# KiCad board ebaz4205.kicad_pcb (continued)
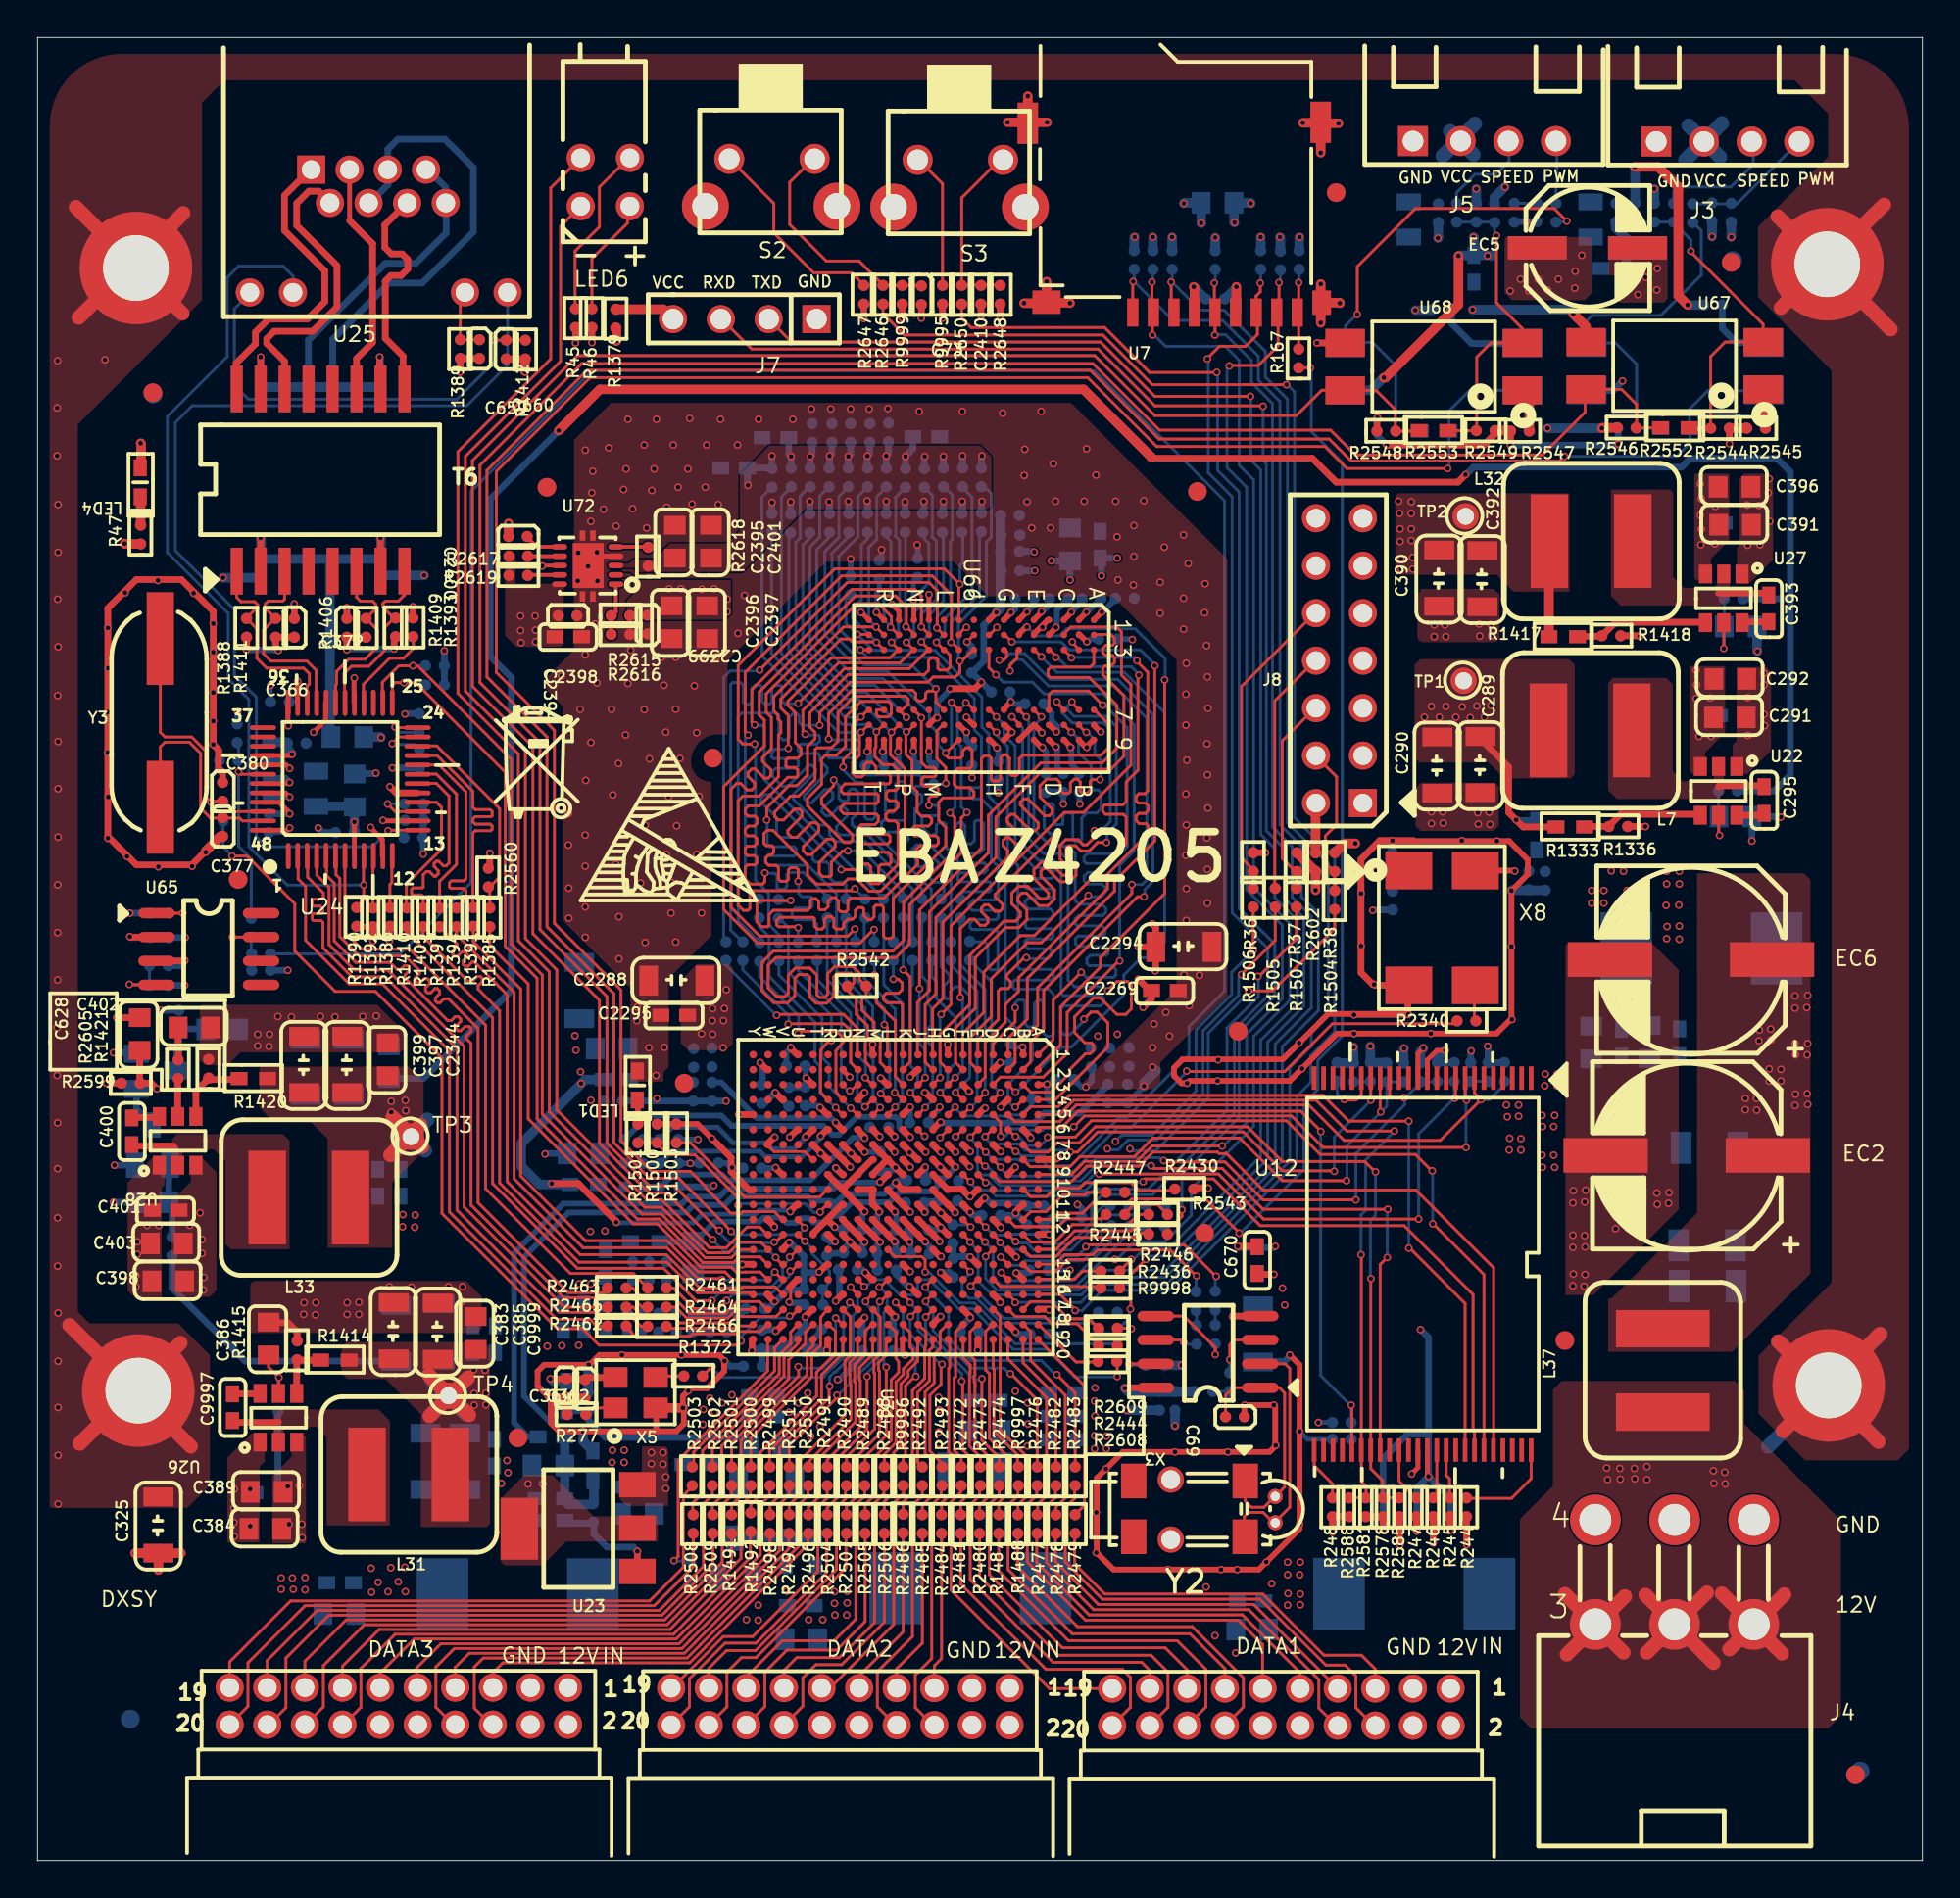
[diagram p0: board, top side]
## Routing (per net, layer and track width the routed paths; a pad name or vN(x,y) marks a point on that pad's centre or on a via; arc(x,y) is an arc through that point) (continued)
  Bottom Layer w0.152: 51.88,63.55 51.88,63.83 52.13,64.08 52.53,64.08 53.93,62.68 57.45,62.68 59.18,60.95 59.18,52.33 58.93,52.08 v1(58.38,52.08)
DDR-ODT_0: length 35.1
  Top Layer w0.152: 49.15,66.2 49.15,68.05 v1(49.2,68.1) 48.38,68.93 42.53,68.93 37.38,63.78 37.38,59.83 37.63,59.58 v1(38.25,59.58)
  Bottom Layer w0.152: 49.35,70.88 49.35,69.25 49.2,69.1 49.2,68.23 49.25,68.18 ; R2513.2 39.55,49.4 39,49.95 39,51.6 38.3,52.3 38.3,59.6 38.28,59.63
DDR-RAS_0: length 40.8
  Top Layer w0.152: v1(41.73,60.58) 41.73,61.25 43.35,62.88 47.5,62.88 47.78,63.15 48.95,63.15 49.2,63.4 v1(49.2,64) 49.3,64 49.95,64.65
  Bottom Layer w0.152: R2532.2 38.53,49 37.38,50.15 37.38,61.03 37.58,61.23 39.35,61.23 39.55,61.03 39.55,60 39.75,59.8 39.95,59.8 40.1,59.95 40.1,61 40.3,61.2 40.5,61.2 40.63,61.08 40.63,60.73 40.78,60.58 41.63,60.58 ; R2639.1 50.53,73.3 50.88,72.95 50.88,70.6 50.63,70.35 50.63,67.48 49.13,65.98 49.13,65.18 49.13,65.17 49.13,64.83 49.13,64.83 49.13,64 49.2,63.93
DDR-RESET_0: length 35.5
  Top Layer w0.152: v1(52.15,40.2) 52.17,40.2 52.57,40.61 ; 44.35,65.45 44.33,65.43 v1(43.73,65.43)
  Bottom Layer w0.152: v1(52.15,40.2) 52.08,40.2 51.77,40.51 51.77,41.42 53.08,42.73 53.08,43.55 51.63,45 51.63,53.1 51.25,53.48 51.25,56.28 50.75,56.78 50.75,60.11 50.38,60.48 50.38,62.08 47.88,64.58 44.58,64.58 43.13,66.03 43.13,67.35 43.35,67.58
DDR-UDM_0: length 32.1
  Top Layer w0.152: 58.7,63.23 58.7,58.18 58.08,57.55 58.08,56.5 57.9,56.33 56.93,56.33 56.83,56.23 56.83,55.98 56.98,55.83 57.93,55.83 58.08,55.68 58.08,54.25 53.18,49.35 52.43,49.35 50.48,47.4 50.48,45.25 49.36,44.13 49.36,43 ; v1(54.33,64.2) 54.33,64.28 53.95,64.65
  Bottom Layer w0.152: 58.78,63.28 58.35,63.7 54.9,63.7 54.4,64.2 v1(54.33,64.2)
  vias: v1(58.75,63.25)
DDR-UDQS#_0: length 32.6
  Top Layer w0.152: 55.55,61.4 55.18,61.78 v1(55.18,61.83) ; 56.98,54.33 56.55,54.33 56.1,53.88 55.65,53.88 55.38,54.15 54.98,54.15 54.88,54.05 54.88,53.55 55.4,53.03 55.4,52.58 55.05,52.23 54.55,52.23 53.85,52.93 53.65,52.93 53.53,52.8 53.53,52.53 54.25,51.8 54.25,51.3 53.9,50.95 53.43,50.95 52.75,51.63 52.5,51.63 52.3,51.43 52.3,51.2 52.78,50.73 52.78,50.2 52.35,49.78 51.63,49.78 50.03,48.18 50.03,45.48 48.98,44.43 48.98,42.58 49.36,42.2
  Bottom Layer w0.152: 57.05,54.48 57.05,54.8 57.55,55.3 57.55,60.5 57,61.05 55.3,61.05 54.95,61.4 54.95,61.6 v1(55.18,61.83)
  vias: v1(57.03,54.33)
DDR-UDQS_0: length 32.9
  Top Layer w0.152: 54.75,61.4 54.38,61.78 v1(54.38,61.83) ; v1(56.38,54.95) 56.38,54.6 55.98,54.2 55.78,54.2 55.5,54.48 54.85,54.48 54.55,54.18 54.55,53.43 55.05,52.93 55.05,52.7 54.93,52.58 54.68,52.58 53.98,53.28 53.55,53.28 53.15,52.88 53.15,52.4 53.93,51.63 53.93,51.45 53.78,51.3 53.5,51.3 52.83,51.98 52.33,51.98 51.98,51.63 51.98,51.05 52.43,50.6 52.43,50.38 52.18,50.13 51.55,50.13 49.73,48.3 49.73,45.68 48.15,44.1 48.15,42.61 48.55,42.2
  Bottom Layer w0.152: 54.45,61.78 54.65,61.58 54.65,61.25 55.2,60.7 56.88,60.7 57.23,60.35 57.23,55.43 56.75,54.95 v1(56.38,54.95)
DDR-WE_0: length 39.8
  Top Layer w0.152: v1(38.9,55.53) 38.9,56.18 40.08,57.35 40.5,57.35 41.08,57.93 41.08,59.45 41.48,59.85 41.48,60.2 41.2,60.48 41.2,61.25 43.23,63.28 47.3,63.28 47.53,63.5 47.53,64.03 47.68,64.18 47.93,64.18 48.03,64.08 48.03,63.63 48.13,63.53 48.53,63.53 48.68,63.68 48.68,64.33 48.35,64.65 48.3,64.65 v1(47.95,65)
  Bottom Layer w0.152: R2534.2 42.63,51.58 41.1,53.1 39.03,53.1 38.83,53.3 38.83,53.5 38.93,53.6 40.35,53.6 40.48,53.73 40.48,53.98 40.35,54.1 39.05,54.1 38.93,54.23 38.93,55.45 ; 47.98,65.05 48.4,65.48 48.4,66.28 49.85,67.73 49.85,72.75 49.35,73.25 R2641.1
IN: length 6
  Top Layer w0.356: v1(3.68,41.48) R2599.1
  Bottom Layer w0.356: 12.93,19.8 12.83,19.9 R1413.1 ; v1(6.58,45.38) R2800.1
  vias: v1(8.12,33.89) v1(8.67,34.57) v1(8.77,33.14) v1(8.77,32.39) v1(8.87,31.12) v1(8.85,30.44) v1(13.35,19.97) v1(13.42,17.95) v1(13.97,20) v1(14.1,17.95) v1(14.12,17.22) v1(17.8,15.6) v1(17.82,14.32) v1(18.17,14.85) v1(18.7,14.35) v1(18.85,15.62) v1(19.25,14.87) v1(19.6,15.65) v1(19.62,14.35) v1(41.14,12.85) v1(41.89,12.85) v1(42.52,14.35) v1(42.52,13.72) v1(42.54,13.1) v1(43.19,14.37) v1(43.19,13.75) v1(43.17,13.1) v1(65.83,14.77) v1(66.68,15.92) v1(66.68,15.25) v1(66.71,14.25) v1(66.68,13.62) v1(67.36,15.92) v1(67.33,15.25) v1(67.36,14.22) v1(67.36,13.65) v1(82.91,51.76) v1(82.91,51.09) v1(83.56,51.76) v1(83.56,51.09) v1(83.96,52.81) v1(84.61,52.79) v1(84.8,51.76) v1(84.83,51.11) v1(85.5,51.14) v1(85.55,51.76) v1(86.9,52.79) v1(86.9,52.11) v1(86.88,50.96) v1(86.9,49.19) v1(86.93,49.84) v1(87.58,52.79) v1(87.58,52.11) v1(87.55,50.99) v1(87.58,49.86) v1(87.58,49.16) v1(88.48,63.51) v1(88.5,62.74) v1(88.48,62.01) v1(88.7,73.46) v1(88.7,71.78) v1(88.63,59.99) v1(88.75,72.66) v1(88.75,71.03) v1(88.73,70.21) v1(89.23,62.04) v1(89.28,59.99) v1(89.5,72.26) v1(89.48,70.26)
LED3_0: length 57
  Top Layer w0.152: v1(18.7,54.95) 18.73,54.98 20.25,54.98
  Bottom Layer w0.152: v1(18.7,54.95) 19.25,54.95 19.65,54.55 ; U25.9 25.08,79.8 22.9,77.63 8.25,77.63 7.35,76.73 7.35,69.9 10.5,66.75 10.5,63.25 11.68,62.08 11.68,54.63 12.2,54.1 17.88,54.1 18.65,54.88
LED.0_0: length 48.3
  Top Layer w0.152: 17.39,53.6 17.39,52.07 v1(17.4,52.05) 17.4,51.25 17,50.85
  Bottom Layer w0.152: U25.11 13.63,84.55 13.1,85.08 10.73,85.08 10.13,84.48 10.13,80.25 6.93,77.05 6.93,69.8 10.18,66.55 10.18,63.05 11.28,61.95 11.28,54.1 13.33,52.05 17.43,52.05
MDC_0: length 45.1
  Top Layer w0.152: U24.25 18.93,62.73 19.05,62.85 v1(19.55,62.85) 20.18,62.85 24.95,58.08 24.95,48.78 26.65,47.08 26.65,39.58 32,34.23 32.92,34.23 32.92,34.23 33.17,34.23 35.49,31.92 37.14,31.92 37.43,32.21 38.55,32.21 38.88,31.88
  Bottom Layer w0.152: R2470.2 20.6,62.83 19.5,62.83
PS-DDR-A0_0: length 10
  Top Layer w0.152: v1(40.05,44.63) 40.08,44.65 42.98,44.65 43.38,44.32 43.38,42.59 43.73,42.2
  Bottom Layer w0.152: 40.08,44.7 40.08,45.08 37.63,47.53 R2517.1
PS-DDR-A1_0: length 8.4
  Top Layer w0.152: v1(46.18,47.53) 46.55,47.15 46.55,42.61 46.14,42.2
  Bottom Layer w0.152: v1(46.18,47.53) 46.18,50.15 46.1,50.23
PS-DDR-A2_0: length 9.9
  Top Layer w0.152: v1(44.15,41.78) 44.52,41.4 44.53,41.4
  Bottom Layer w0.152: R2519.1 42.13,47 43.75,45.38 43.75,42.95 44.18,42.53 44.18,41.8
PS-DDR-A3_0: length 7.2
  Top Layer w0.152: v1(44.65,47.25) 44.75,47.15 44.75,45.78 45.76,44.8 45.76,41.83 46.14,41.4
  Bottom Layer w0.152: v1(44.65,47.25) 44.65,48 44.68,48.03
PS-DDR-A4_0: length 9.4
  Top Layer w0.152: 44.13,40.18 44.13,40.2 v1(44.14,40.22) 44.53,40.61
  Bottom Layer w0.152: 44.09,40.22 v1(44.14,40.22) 43.73,40.63 43.73,41.9 43.73,41.9 43.73,42.22 43.38,42.58 43.38,45.23 41.6,47 41.6,47.93
PS-DDR-A5_0: length 5.7
  Top Layer w0.152: v1(45.18,44.6) 45.34,44.44 45.34,43
  Bottom Layer w0.152: R2522.1 43.63,47.03 45.18,45.48 v1(45.18,44.6)
PS-DDR-A6_0: length 11
  Top Layer w0.152: 45.34,40.61 45.32,40.61 44.95,40.98
  Bottom Layer w0.152: 43.1,50.25 43.13,50.23 43.13,47 44.55,45.58 44.55,44.48 45.45,43.58 45.45,41.48 44.95,40.98
  vias: v1(44.98,40.93)
PS-DDR-A7_0: length 10.6
  Top Layer w0.152: 46.14,40.61 45.77,40.98 v1(45.73,40.98)
  Bottom Layer w0.152: v1(45.73,40.98) 45.75,41 45.75,45.43 44.1,47.08 44.1,47.83 44.1,47.83 44.1,48.22 44.1,48.23 44.1,48.83 44.1,48.83 44.1,49.22 44.1,49.23 44.1,50.25 R2524.1
PS-DDR-A8_0: length 6.9
  Top Layer w0.152: v1(45.65,47.03) 45.93,47.03 46.13,46.83 46.13,46.48 45.93,46.28 45.28,46.28 45.13,46.13 45.13,45.95 45.3,45.78 46.03,45.78 46.14,45.66 46.14,43
  Bottom Layer w0.152: 45.68,47.9 45.65,47.88 v1(45.65,47.03)
PS-DDR-A9_0: length 8
  Top Layer w0.152: 46.58,40.95 46.92,40.61 46.95,40.61
  Bottom Layer w0.152: 46.53,40.93 46.95,41.35 46.95,42.03 46.58,42.4 46.58,46.63 46.68,46.73 R2526.1
  vias: v1(46.55,40.98)
PS-DDR-A10_0: length 9.2
  Top Layer w0.152: 49.36,39.81 49.73,40.18 v1(49.75,40.18)
  Bottom Layer w0.152: R2527.1 48.73,47.78 50.13,46.38 50.13,40.53 49.75,40.15
PS-DDR-A11_0: length 8.5
  Top Layer w0.152: 48.55,40.61 48.52,40.61 v1(48.15,40.98)
  Bottom Layer w0.152: v1(48.15,40.98) 48.18,40.98 48.55,41.35 48.55,42.13 48.98,42.55 48.98,44.98 47.95,46 47.95,46.9 47.7,47.15 R2528.1
PS-DDR-A12_0: length 10.3
  Top Layer w0.152: 50.16,40.61 50.18,40.61 v1(50.55,40.98)
  Bottom Layer w0.152: 49.2,50.2 49.23,50.18 49.23,47.8 50.55,46.48 v1(50.55,40.98)
PS-DDR-A13_0: length 8.3
  Top Layer w0.152: 50.97,40.61 50.98,40.61 v1(51.35,40.98)
  Bottom Layer w0.152: v1(51.35,40.98) 50.9,41.43 50.9,46.88 R2530.1
PS-DDR-A14_0: length 12.5
  Top Layer w0.152: v1(48.98,40.98) 48.99,40.98 49.36,40.61
  Bottom Layer w0.152: R2531.1 48.2,47.7 48.65,47.25 48.65,46.98 48.35,46.68 48.35,46.13 48.5,45.98 48.65,45.98 48.7,46.03 48.7,46.38 48.95,46.63 49.25,46.63 49.73,46.15 49.73,41.78 49,41.05
PS-DDR-BA0_0: length 11.1
  Top Layer w0.152: v1(45.75,40.2) 45.36,39.81 45.34,39.81
  Bottom Layer w0.152: 45.15,50.18 45.15,46.73 46.13,45.75 46.13,40.58 v1(45.75,40.2)
PS-DDR-BA1_0: length 11.3
  Top Layer w0.152: 42.12,40.61 41.78,40.99 41.78,43.25 42.23,43.75 v1(42.35,43.75)
  Bottom Layer w0.152: R2515.1 39.58,50.28 40.05,49.8 40.05,47.4 42.35,45.1 v1(42.35,43.75)
PS-DDR-BA2_0: length 11.3
  Top Layer w0.152: 46.95,39.81 46.98,39.81 v1(47.35,40.18)
  Bottom Layer w0.152: R2516.1 47.18,47.18 47.5,46.85 47.5,45.7 47.68,45.53 47.68,44.58 47.5,44.4 47.5,43.68 47.75,43.43 47.75,40.58 47.3,40.13
PS-DDR-CAS_0: length 12.3
  Top Layer w0.152: v1(42.58,40.18) 42.58,40.16 42.93,39.81
  Bottom Layer w0.152: R2533.1 38.5,49.83 39.03,49.3 39.03,47.18 41.48,44.73 41.48,42.65 41.73,42.4 41.73,41 42.55,40.18 42.55,40.15
PS-DDR-CKE_0: length 8.6
  Top Layer w0.152: 43.35,41.03 43.73,41.4
  Bottom Layer w0.152: R2536.1 40.58,47.5 42.88,45.2 42.88,41.45 43.26,41.06
  vias: v1(43.33,41.07)
PS-DDR-CS_0: length 10
  Top Layer w0.152: 43.73,43 43.73,44.42 43,45.15 39.48,45.15 v1(39.43,45.1)
  Bottom Layer w0.152: 39.33,45.2 39.3,45.2 36.73,47.78 R2535.1
PS-DDR-ODT_0: length 10
  Top Layer w0.152: 43.73,39.81 43.38,40.15 v1(43.38,40.15)
  Bottom Layer w0.152: 43.4,40.13 42.23,41.3 42.23,42.48 41.85,42.85 41.85,44.95 39.55,47.25 R2513.1
PS-DDR-RAS_0: length 10.8
  Top Layer w0.152: v1(40.58,44.13) 40.7,44.25 42.63,44.25 43,43.88 43,43.7 42.59,43.2 42.59,41.04 42.93,40.61
  Bottom Layer w0.152: 40.6,44.15 40.6,45.08 38.53,47.15 R2532.1
PS-DDR-WE_0: length 9.3
  Top Layer w0.152: 44.53,39.81 44.58,39.81 v1(44.95,40.18)
  Bottom Layer w0.152: 44.9,40.25 44.57,40.58 44.57,41.92 44.58,41.93 44.58,42.75 44.15,43.18 44.15,43.72 44.15,43.73 44.15,45.48 42.63,47 R2534.1
REGOUT: length 5.4
  Top Layer w0.254: 16.9,53.62 v1(16.9,55.43) 16.88,55.41
  Bottom Layer w0.508: C382.1 16.9,56.18 16.98,56.25 ; L30.2 16.88,56.25 16.93,56.3
REGOUT.0: length 21.9
  Top Layer w0.356: T6.7 18.3,70.57 v1(18.3,70.58) ; v1(11.9,70.58) 11.91,70.57 T6.2
  Bottom Layer w0.508: v1(18.3,70.58) 18.33,70.55 18.33,69.55 18.23,69.45 15.6,69.45 ; 15.6,69.45 C375.1 11.93,70.53 11.9,70.55 ; 15.6,69.45 15.6,59.83 15.48,59.7
RESET.0: length 121.7
  Top Layer w0.152: 52.18,37.83 52.15,37.83 51.77,38.21
  Bottom Layer w0.152: R2392.1 19.33,48.38 23.13,52.18 23.13,73.05 29.58,79.5 56.38,79.5 63.33,72.55 63.33,46.4 61.43,44.5 61.43,42.98 58.1,39.65 57.7,39.65 55.13,37.08 54.23,37.08 53.7,37.6 52.49,37.6 52.29,37.8 52.25,37.8
  vias: v1(52.18,37.83)
RESET.1: length 11.1
  Top Layer w0.152: 12,57.96 10.87,57.96 v1(10.73,58.1)
  Bottom Layer w0.152: R1995.1 10.73,59.58 10.73,54.13 11.4,53.45 11.4,50.23 11.43,50.2
REST.ON_0: length 45.1
  Top Layer w0.152: 18.4,61.78 18.4,62.87 19.28,63.75 v1(20.03,63.75) 20.28,63.75 25.28,58.75 25.28,48.9 26.93,47.25 26.93,39.83 32.25,34.5 33.28,34.5 35.61,32.17 36.98,32.17 36.99,32.19 37.04,32.19 37.45,32.6 38.08,32.6
  Bottom Layer w0.152: 20.13,63.75 R2469.2
RXCLK_0: length 35.8
  Top Layer w0.152: v1(35.98,29.88) 35.13,29.88 33.4,31.6 28.8,31.6 24.28,36.13 24.28,44.98 19.7,49.55 R1410.1 ; 40.15,32.2 40.51,32.56 40.51,32.62
  Bottom Layer w0.152: 35.98,29.9 36,29.9 36.73,30.63 39.17,30.63 39.75,31.21 39.75,31.28 39.75,31.28 39.75,31.72 40.13,32.1
  vias: v1(40.13,32.2)
RXD0_0: length 29
  Top Layer w0.152: 38.08,31 37.08,31 36.67,31.41 35.25,31.41 33.58,33.08 29.23,33.08 25.78,36.53 25.78,46.5 23.25,49.03 R1391.1
RXD1_0: length 31.4
  Top Layer w0.152: 39.38,31.35 39.38,31.35 39.71,31.02 ; R1394.1 22.35,49.4 25.43,46.33 25.43,36.38 29.1,32.7 33.58,32.7 35.23,31.05 36.48,31.05 36.5,31.03
  Bottom Layer w0.152: 36.5,31.03 36.55,30.98 38.93,30.98 39.28,31.33
  vias: v1(36.5,31) v1(39.33,31.4)
RXD2_0: length 33.9
  Top Layer w0.152: R1397.1 22.38,48.9 22.38,48.75 22.15,48.53 22.15,48.35 22.25,48.25 22.4,48.25 22.65,48.5 22.78,48.5 22.93,48.35 22.93,48.23 22.7,48 22.7,47.83 22.8,47.73 22.98,47.73 23.2,47.95 23.3,47.95 25.05,46.2 25.05,36.23 28.95,32.33 33.55,32.33 35.33,30.55 37.58,30.55 37.63,30.6 39.35,30.6 39.68,30.28
RXD3_0: length 32.2
  Top Layer w0.152: 38.1,30.22 38.03,30.3 35.21,30.3 33.58,31.93 28.88,31.93 24.65,36.15 24.65,45.35 23.5,46.5 23.5,46.68 23.73,46.9 23.73,47.08 23.63,47.18 23.45,47.18 23.15,46.88 23,46.88 20.58,49.3 R1405.1
RXDV_0: length 27.4
  Top Layer w0.152: R1385.1 24.13,48.83 26.18,46.78 26.18,39.58 31.78,33.97 33.07,33.97 35.38,31.66 37.02,31.66 37.28,31.4 37.77,31.4 37.78,31.4 38.55,31.4 38.9,31.05
RY/#BY_0: length 30.4
  Top Layer w0.152: 51.77,39.81 52.15,39.43 54.53,39.43 55.42,40.32 67.81,40.32 69.7,38.43 74.83,38.43 v1(77,40.6) 76.66,40.95 U12.7
  Bottom Layer w0.152: 78.25,41.5 78.25,41.4 77.45,40.6 v1(77,40.6)
TXCLK_0: length 33.1
  Top Layer w0.152: 32.48,30.63 31.78,31.33 28.43,31.33 23.9,35.85 23.9,44.58 19.85,48.63 17.3,48.63 16.4,49.52 U24.7
TXD0_0: length 34.5
  Top Layer w0.152: 30.43,30.53 30.2,30.3 28.3,30.3 23.5,35.1 23.5,44.4 21.93,45.98 21.68,45.98 21.48,45.78 21.33,45.78 21.23,45.88 21.23,46.03 21.45,46.25 21.45,46.4 21.33,46.53 21.2,46.53 20.98,46.3 20.8,46.3 20.7,46.4 20.7,46.58 20.93,46.8 20.93,46.93 20.8,47.05 20.63,47.05 20.4,46.83 20.28,46.83 20.13,46.98 20.13,47.08 20.38,47.33 20.38,47.5 19.6,48.28 17.15,48.28 16.13,49.3 16.13,52.4 15.92,52.6 15.92,53.6
TXD1_0: length 37
  Top Layer w0.152: 15.42,53.6 15.42,52.56 15.83,52.15 15.83,49.08 16.98,47.93 18.8,47.93 19.18,47.55 19.38,47.55 19.58,47.75 19.75,47.75 19.83,47.68 19.83,47.48 19.6,47.25 19.6,47.1 21.88,44.83 22.08,44.83 22.28,45.03 22.45,45.03 22.58,44.9 22.58,44.78 22.33,44.53 22.33,44.4 22.45,44.28 22.58,44.28 22.8,44.5 23.03,44.5 23.13,44.4 23.13,44.25 22.85,43.98 22.85,43.88 23.13,43.6 23.13,34.98 28.08,30.03 31.75,30.03 32.25,29.53 32.5,29.53
TXD2_0: length 32.4
  Top Layer w0.152: R2465.1 28.1,29.53 22.75,34.88 22.75,43.45 18.68,47.53 16.9,47.53 15.55,48.88 15.55,51.93 14.9,52.58 14.9,53.13
TXD3_0: length 37.8
  Top Layer w0.152: 32.48,28.5 32.2,28.5 31.68,29.03 30.1,29.03 29.88,29.25 27.83,29.25 22.38,34.7 22.38,43.33 18.55,47.15 16.78,47.15 15.23,48.7 15.23,50.05 15.13,50.15 14.73,50.15 14.65,50.23 14.65,50.48 14.7,50.53 15.13,50.53 15.23,50.63 15.23,50.78 15.08,50.93 14.7,50.93 14.65,50.98 14.65,51.23 14.73,51.3 15.15,51.3 15.25,51.4 15.25,51.63 14.41,52.47 14.41,53.6
TXEN_0: length 34.3
  Top Layer w0.152: 13.91,53.6 13.91,52.37 14.3,51.98 14.3,49.1 16.63,46.78 18.4,46.78 21.98,43.2 21.98,34.6 27.7,28.88 29.48,28.88 29.85,28.5 30.38,28.5
U3.A14_0: length 72.4
  Top Layer w0.152: R2650.1 49.3,82.3 49.8,81.8 56.93,81.8 59.33,79.4 v1(62.9,79.4) ; 53.38,32.62 54.34,32.62 55.33,33.6 58.33,33.6 58.65,33.93 60.6,33.93 61.05,34.38 v1(61.05,34.73)
  Bottom Layer w0.152: 61.05,34.68 61.05,36.6 64.11,39.66 64.11,40.01 64.1,40.01 64.1,44.23 66,46.13 66,48.9 64.1,50.8 64.1,73.03 62.95,74.18 62.95,79.35 v1(62.9,79.4)
U3.A17_0: length 84.3
  Top Layer w0.152: R2646.1 45.1,82.55 46.25,81.4 56.83,81.4 59.48,78.75 v1(66.63,78.75) ; 53.38,30.22 54.53,30.22 55.35,29.4
  Bottom Layer w0.152: 55.48,29.35 55.73,29.35 56.8,30.43 60.35,30.43 67.18,37.25 67.18,40.78 67.93,41.53 67.93,42.95 69.2,44.23 69.2,53.5 67.05,55.65 67.05,78.38 66.68,78.75 v1(66.63,78.75)
  vias: v1(55.35,29.35)
U3.A.9_0: length 61.7
  Top Layer w0.152: 63.6,79.78 65.13,79.78 66.18,80.83 66.18,82.53 U7.8 66.23,82.72 v1(66.23,84.2) ; v1(63.2,38.13) 59.45,38.13 58.63,37.31 55.86,37.31 55.16,36.61 53.38,36.61
  Bottom Layer w0.152: 63.23,38.1 64.5,39.38 64.5,44.1 66.4,46 66.4,49.9 64.5,51.8 64.5,73.28 63.45,74.33 63.45,79.63 ; 66.25,84.18 66.3,84.23 R160.1
  vias: v1(63.58,79.75)
U3.A.12_0: length 62.1
  Top Layer w0.152: v1(64.1,33.48) 64.1,33.5 62.3,35.3 58.38,35.3 58.2,35.13 56.33,35.13 55.74,34.54 54.49,34.54 54.16,34.22 53.38,34.22 53.89,34.22 ; R167.1 v1(67.9,79.65)
  Bottom Layer w0.152: v1(64.1,33.48) 64.15,33.48 67.55,36.88 67.55,40.4 68.3,41.15 68.3,42.7 69.6,44 69.6,74.6 67.95,76.25 67.95,79.5
U3.A.16_0: length 79.8
  Top Layer w0.152: R2436.2 v1(58.35,32.08) ; v1(64.7,78.13) 59.6,78.13 56.7,81.03 40.23,81.03 J7.2
  Bottom Layer w0.152: 64.75,78.03 64.73,78 64.73,74.73 65.25,74.2 65.25,54.75 66,54 66,51.38 67.2,50.18 67.2,45.73 65.25,43.78 65.25,37.58 60.3,32.63 59.03,32.63 58.48,32.08 v1(58.35,32.08)
U3.B.15_0: length 67.9
  Top Layer w0.152: 52.57,31.82 52.97,31.43 54.33,31.43 54.97,32.07 57.47,32.07 v1(57.48,32.08) ; v1(59.48,81.4) 59.48,82.56 U7.2 59.45,82.67 v1(59.45,84.23)
  Bottom Layer w0.152: 59.5,84.25 R164.1 ; v1(57.48,32.08) 57.58,32.08 58.53,33.03 60.15,33.03 61.55,34.43 61.55,35.85 64.88,39.18 64.88,43.98 66.8,45.9 66.8,50 64.88,51.93 64.88,73.68 64.1,74.45 64.1,80.05 63.35,80.8 60.18,80.8 59.58,81.4
U3.C.17_0: length 72.6
  Top Layer w0.152: 52.2,29.8 52.19,29.8 51.77,30.22 ; v1(60.48,84.23) 60.48,82.75 U7.3
  Bottom Layer w0.152: 52.18,29.75 52.21,29.78 54.12,29.78 54.13,29.78 55.65,29.78 56.63,30.75 60.23,30.75 66.8,37.33 66.8,42.3 67.95,43.45 67.95,44.35 68.85,45.25 68.85,53.2 66.68,55.38 66.68,77.98 65.5,79.15 65.5,80.53 63.3,82.73 62.03,82.73 60.6,84.15 ; 60.53,84.23 R163.1
  vias: v1(52.15,29.78)
U3.D.14_0: length 71.1
  Top Layer w0.152: v1(50.58,32.23) 50.58,32.23 50.97,32.62 ; v1(62.78,84.18) 62.78,82.64 U7.5 62.81,81.41 v1(62.8,81.4)
  Bottom Layer w0.152: 62.85,81.43 63.38,81.43 64.75,80.05 64.75,78.88 65.88,77.75 65.88,55.15 66.93,54.1 66.93,51.4 67.95,50.38 67.95,45.5 66.03,43.58 66.03,37.35 60.18,31.5 56.63,31.5 55.56,30.44 51.19,30.44 50.58,31.05 v1(50.58,32.23) ; 62.83,84.2 R162.1
U3.E.12_0: length 66.9
  Top Layer w0.152: 50.16,34.22 50.58,33.8 v1(50.58,33.8) ; v1(62.4,80.13) 62.4,80.15 63.05,80.8 64.45,80.8 65.08,81.43 65.08,82.53 U7.7 65.01,83.48 65.23,83.7 v1(65.23,84.18)
  Bottom Layer w0.152: 50.58,33.73 v1(50.58,33.8) 51.01,33.37 51.52,33.37 51.96,33.37 52.01,33.42 53.18,33.42 53.7,32.9 55.08,32.9 56.23,34.05 56.23,34.95 56.8,35.53 59.48,35.53 63.85,39.9 63.85,39.91 63.85,44.35 65.63,46.13 65.63,48.68 63.73,50.58 63.73,72.78 62.45,74.05 62.45,80.13 ; 65.25,84.2 R161.1
U3.F13_0: length 78.1
  Top Layer w0.152: 49.36,33.42 49.75,33.02 v1(49.75,33) ; U7.1 58.43,84.23 v1(58.45,84.25)
  Bottom Layer w0.152: v1(58.45,84.25) 58.5,84.25 ; 58.5,84.25 R165.1 ; 58.5,84.25 60.58,82.18 63.23,82.18 65.13,80.28 65.13,79 66.28,77.85 66.28,55.28 67.43,54.13 67.43,51.43 68.33,50.53 68.33,45.35 66.4,43.43 66.4,37.35 60.18,31.13 56.63,31.13 55.68,30.18 50.92,30.18 50.18,30.93 50.18,32.55 49.73,33 ; 58.5,84.25 58.43,84.18
U3.F.15_0: length 85.8
  Top Layer w0.152: 59.13,32.1 v1(59.13,32.08) 58.33,31.28 58.33,29.53 58.23,29.43 ; J7.3 36.5,82.25 38.1,80.65 56.58,80.65 59.6,77.63 65.35,77.63 v1(65.38,77.6)
  Bottom Layer w0.152: 58.25,29.45 58.25,28.95 R2437.1 ; 65.38,77.55 65.38,74.7 65.55,74.53 65.55,54.95 66.53,53.98 66.53,51.33 67.55,50.3 67.55,45.6 65.63,43.68 65.63,37.45 60.43,32.25 59.3,32.25 v1(59.13,32.08)
  vias: v1(58.3,29.43)
U3.U12_0: length 126.3
  Top Layer w0.152: v1(81.45,74.93) 81.2,74.68 75.4,74.68 75.4,74.68 75.06,74.68 75.05,74.68 70.08,74.68 68.9,75.85 59.83,75.85 56.15,79.53 29.33,79.53 23.98,74.18 23.98,63.15 27.18,59.95 27.18,49.83 30.75,46.25 30.75,38.3 32.65,36.4 34.2,36.4 36.73,33.88 36.73,33.85 37.06,33.52 ; 40.51,34.22 40.93,33.8
  Bottom Layer w0.152: v1(40.92,33.77) 40.92,33.72 40.6,33.4 37.18,33.4 37.06,33.52 ; 88.15,76.5 88.15,75.63 87.45,74.93 v1(81.45,74.93) ; R2554.1 88.13,77.45 89.1,78.43 91.58,78.43 91.63,78.48
  vias: v1(37,33.58)
U3.V12_0: length 111.3
  Top Layer w0.152: 39.71,34.22 39.3,34.63 37.63,34.63 37.55,34.55 36.98,34.55 35.67,35.86 35.67,35.93 34.83,36.78 32.75,36.78 31.13,38.4 31.13,46.45 27.58,50 27.58,60.3 24.48,63.4 24.48,74.13 29.48,79.13 56.03,79.13 59.7,75.45 68.68,75.45 69.85,74.28 v1(75.23,74.28)
  Bottom Layer w0.152: 75.2,74.25 75.3,74.35 75.3,77.35 76.4,78.45 U70.2
U3.V13_0: length 121.3
  Top Layer w0.152: 36.38,33.6 36.35,33.6 33.95,36 32.65,36 30.38,38.28 30.38,46.1 26.8,49.68 26.8,59.65 23.6,62.85 23.6,74.45 29.03,79.88 56.3,79.88 59.85,76.33 68.98,76.33 70.3,75 80.28,75 82.55,77.28 82.55,78.15 ; 39.38,33 39.71,33.33 39.71,33.42 ; 85.3,76.43 85.3,77.7 84.5,78.5 U67.4 ; 86.5,76.43 86.48,76.45 R2546.2
  Bottom Layer w0.152: 39.28,32.93 39.25,32.95 36.93,32.95 36.35,33.53 36.35,33.6
  vias: v1(36.38,33.63) v1(39.3,33)
U3.V15_0: length 107.9
  Top Layer w0.152: v1(39.38,32.18) 39.38,32.15 39.71,31.82 ; 36.1,33.08 33.55,35.63 32.63,35.63 29.98,38.28 29.98,45.9 26.43,49.45 26.43,59.43 23.2,62.65 23.2,74.7 28.8,80.3 56.4,80.3 59.6,77.1 67.15,77.1 68.5,78.45 U68.4 71.4,78.45 72.43,77.43 72.43,76.3 ; R2548.2 73.73,76.28
  Bottom Layer w0.152: 36.1,33.08 36.1,33.03 36.63,32.5 39.05,32.5 v1(39.38,32.18)
  vias: v1(36.03,33.13)
U3.W13_0: length 67.6
  Top Layer w0.152: 38.88,33.45 38.53,33.8 37.85,33.8 36.75,32.7 35.85,32.7 33.3,35.25 32.5,35.25 27.7,40.05 27.7,47.53 26.03,49.2 26.03,59.2 22.83,62.4 22.83,74.93 27.9,80 27.9,87.2 LED6.4
U3.W14_0: length 70.8
  Top Layer w0.152: 38.93,32.65 38.58,33 37.45,33 36.87,32.42 35.73,32.42 33.3,34.85 32.4,34.85 27.3,39.95 27.3,47.43 25.65,49.08 25.65,59.05 22.43,62.28 22.43,75.18 27.38,80.13 27.38,89.25 LED6.3
U12-IO0_0: length 35.5
  Top Layer w0.152: v1(68.45,38.9) 68.45,38.93 67.39,39.98 55.51,39.98 54.65,39.13 53.5,39.13 53.38,39.01 ; U12.29 70.12,24.26 v1(70.08,24.3)
  Bottom Layer w0.152: 70.13,23.43 70.08,23.48 v1(70.08,24.3) 70.03,24.3 68.45,25.88 68.45,38.98 68.4,39.03 ; 70.05,23.25 70.08,23.23 R2584.1
U12-IO1_0: length 41.2
  Top Layer w0.152: v1(72.38,38.93) 69.85,38.93 68.21,40.57 55.27,40.57 54.51,39.81 53.38,39.81 ; R2588.2 70.8,19.35 ; 70.88,19.4 70.88,19.95 70.62,20.21 U12.30 70.62,32.31 v1(70.6,32.33)
  Bottom Layer w0.152: 72.38,38.85 72.33,38.85 70.85,37.38 70.85,34.7 70.6,34.45 v1(70.6,32.33)
U12-IO2_0: length 39.1
  Top Layer w0.152: 72.5,19.33 72.48,19.35 R2578.2 ; v1(71.38,36.75) 71.35,36.75 70.8,37.3 66.4,37.3 64.55,39.15 56.43,39.15 55.58,38.3 54.4,38.3 53.9,37.8 52.98,37.8 52.57,38.21 52.57,38.21 ; 71.75,19.5 71.75,20.28 71.12,20.91 U12.31 71.12,31.05 v1(71.13,31.05)
  Bottom Layer w0.152: 71.1,30.88 71.1,34.15 71.38,34.43 v1(71.38,36.75)
U12-IO3_0: length 36.5
  Top Layer w0.152: 50.16,37.41 50.57,37 ; v1(72,32.18) 71.62,31.8 U12.32 ; v1(72.03,34.75) 65.38,34.75 63.2,36.93 59.55,36.93 v1(59.4,37.08)
  Bottom Layer w0.152: 56.98,37.13 56.5,37.13 55.64,36.27 51.43,36.27 51.06,36.65 51.06,36.66 50.71,37 50.7,37 ; v1(72,32.18) 72,34.73 ; 57,37.1 59.38,37.1
  vias: v1(50.55,37.05)
U12-IO4_0: length 40.4
  Top Layer w0.152: v1(73.15,39.45) 69.95,39.45 68.58,40.83 55.05,40.83 54.45,40.23 52.99,40.23 52.57,39.81 ; U12.41 76.15,29.72 73.2,32.68 v1(73.15,32.68)
  Bottom Layer w0.152: 73.13,39.45 73.15,39.43 v1(73.15,32.68)
U12-IO5_0: length 37.8
  Top Layer w0.152: 50.58,36.23 50.55,36.23 50.16,36.61 ; U12.42 76.66,22.85 76.58,22.93 76.58,30.2 72.9,33.88 65.23,33.88 62.73,36.37 59.07,36.37 58.98,36.28
  Bottom Layer w0.152: v1(50.58,36.18) 50.78,36.18 51.19,35.76 55.91,35.76 56.35,36.2 58.85,36.2 58.93,36.28
  vias: v1(58.98,36.23)
U12-IO6_0: length 40.8
  Top Layer w0.152: U12.43 77.16,31.27 74.45,33.98 v1(74.43,33.98) ; 51.77,39.01 52.18,38.6 52.18,38.6 v1(52.18,38.64) ; v1(53.88,38.6) 55.35,38.6 56.23,39.48 66.63,39.48 68.43,37.68 73.5,37.68 74.38,36.8 v1(74.4,36.8)
  Bottom Layer w0.152: v1(74.43,33.98) 74.43,36.7 74.35,36.78 ; 53.88,38.58 53.88,38.53 53.51,38.16 52.8,38.16 52.35,38.6 52.18,38.6 v1(52.18,38.64)
U12-IO7_0: length 39.5
  Top Layer w0.152: 50.97,36.61 50.97,36.59 51.33,36.23 55.15,36.23 55.98,37.05 58.75,37.05 59.5,37.8 62.95,37.8 63.03,37.72 63.37,37.72 63.4,37.75 65.38,35.78 73.53,35.78 77.68,31.63 77.68,22.28
U31-A15_0: length 10
  Top Layer w0.152: v1(61.83,31.2) 61.8,31.2 60.43,32.58 56.55,32.58 56.3,32.33 54.8,32.33 54.3,31.82 53.38,31.82
  Bottom Layer w0.152: 61.83,31.03 61.8,31 R2438.2
U31-D13_0: length 14.1
  Top Layer w0.152: 55.83,32.73 55.95,32.85 61.18,32.85 62.85,31.18 v1(62.88,31.18) ; 51.4,32.98 51.4,32.98 50.97,33.42
  Bottom Layer w0.152: R2439.2 62.83,31.08 62.85,31.1 ; 55.9,32.68 55.5,32.28 52.8,32.28 52.48,32.6 51.7,32.6 51.4,32.9 51.4,32.95
  vias: v1(51.35,32.98) v1(55.93,32.75)
U31-L14_0: length 16.6
  Top Layer w0.152: R2609.2 58.33,28.4 v1(58.35,28.38) ; 47.38,31.38 v1(47.35,31.4) 47.35,32.05 47.18,32.23 45.73,32.23 45.34,32.62
  Bottom Layer w0.152: 47.38,31.38 47.58,31.38 49.2,29.75 49.98,29.75 52.15,27.58 57.63,27.58 58.38,28.33
